# Altium PCB Accumulator Management.PcbDoc (part 1 of 2) (continued)
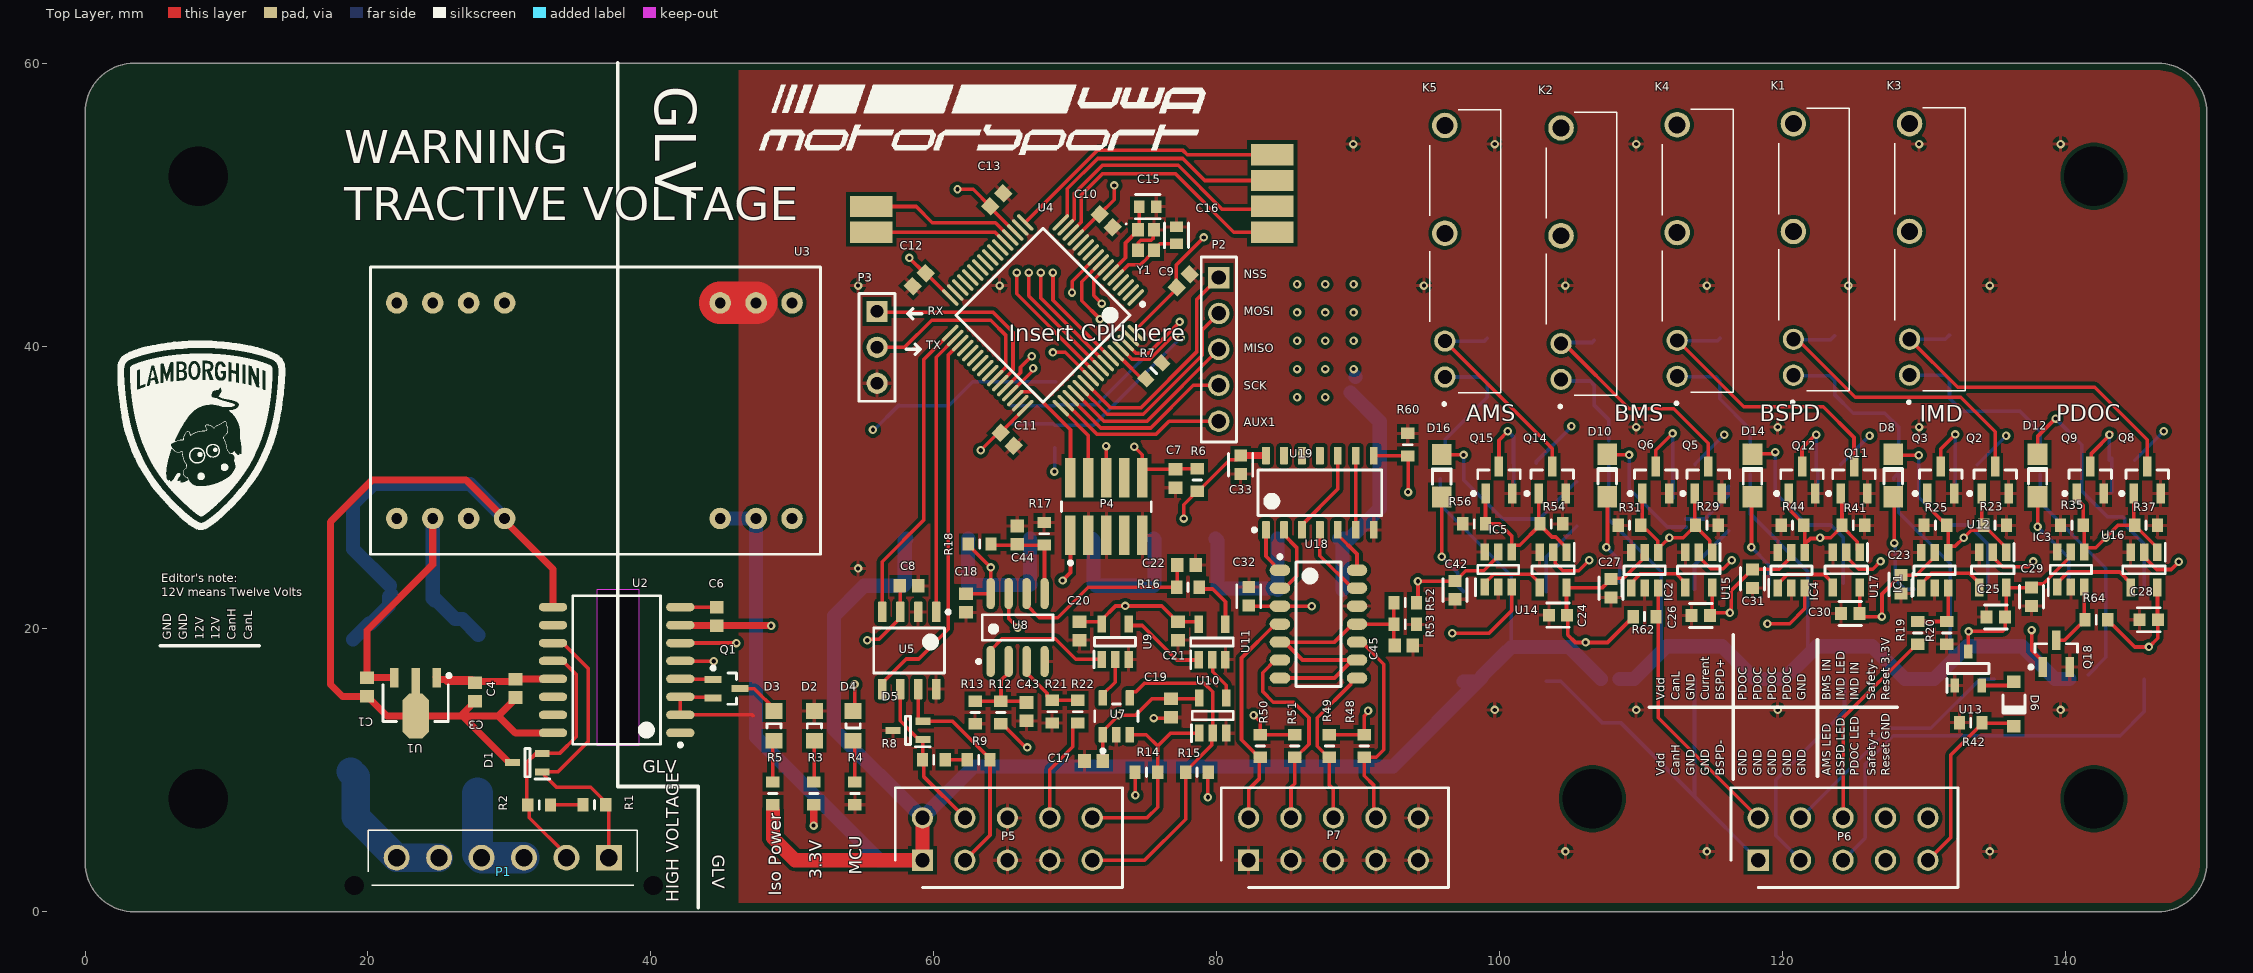
[diagram p0: Top Layer view]
## Part data (continued)
D8 D10 D12 D14 D16: library part 150120SS75000, "WURTH ELEKTRONIK   150120SS75000   LED, 1206, SUP. RED, 60MCD, 630NM", Case Code (Imperial)=1206, Case Code (Metric)=3216, Color=Red, Forward Current=30mA, Forward Voltage=1.9V, Manufacturer 1="Wurth Electronics", Max Operating Temperature=85°C, Min Operating Temperature=-40°C, Package Quantity=3000, Supplier Part Number 1=732-4992-1-ND, Test Current=20mA, Case/Package=1206, ComponentLink1Description=https://datasheet.ciiva.com/29561/150120ss75000-29561862.pdf?src-supplier=Digi-Key, ComponentLink1URL=https://datasheet.ciiva.com/29561/150120ss75000-29561862.pdf?src-supplier=Digi-Key, ComponentLink2Description=https://datasheet.ciiva.com/29279/759443-da-01-en-chipled-1206-w-kl-s-rot-150120ss75000-29279053.pdf?src-supplier=Conrad, ComponentLink2URL=https://datasheet.ciiva.com/29279/759443-da-01-en-chipled-1206-w-kl-s-rot-150120ss75000-29279053.pdf?src-supplier=Conrad, ComponentLink3Description=https://datasheet.ciiva.com/29561/150120ss75000-29561863.pdf?src-supplier=Digi-Key, ComponentLink3URL=https://datasheet.ciiva.com/29561/150120ss75000-29561863.pdf?src-supplier=Digi-Key, ComponentLink4Description=https://datasheet.ciiva.com/48430/150120ss75000-eng-tds-48430055.pdf?src-supplier=Distrelec, ComponentLink4URL=https://datasheet.ciiva.com/48430/150120ss75000-eng-tds-48430055.pdf?src-supplier=Distrelec, ComponentLink5Description=https://datasheet.ciiva.com/29561/150120ss75000-29561864.pdf?src-supplier=Digi-Key, ComponentLink5URL=https://datasheet.ciiva.com/29561/150120ss75000-29561864.pdf?src-supplier=Digi-Key, Dominant Wavelength=630nm, Height=0.68mm, Length=3.2mm, Lens Style=Clear,Rectangular, Luminous Intensity=60mcd, Manufacturer Part Number 1=150120SS75000, Mount="Surface Mount", Packaging="Tape and Reel", Pricing 1="1=0.21000, 50=0.19800, 100=0.17100, 500=0.14800 (USD)", REACH SVHC=Unknown, RoHS=Yes, Stock 1=2344, Supplier 1=Digi-Key, Viewing Angle=140°, Wavelength=630nm, Width=1.6mm
F1 F2: "738-2970 / 0461.500ER"
IC1 IC2 IC3 IC4 IC5: "Integrated Circuit", Manufacturer_Name="Texas Instruments", Datasheet Link=http://www.ti.com/general/docs/suppproductinfo.tsp?distId=10&gotoUrl=http%3A%2F%2Fwww.ti.com%2Flit%2Fgpn%2Fsn74lvc1g373, Height=1.45mm, Manufacturer_Part_Number=74LVC1G373DBVRE4
K1 K2 K3 K4 K5: "Relay"
P1: "Connector", Manufacturer_Name="TE Connectivity", Datasheet Link=https://www.te.com/commerce/DocumentDelivery/DDEController?Action=srchrtrv&DocNm=1445093&DocType=Customer+Drawing&DocLang=English, Height=9.24mm, Manufacturer_Part_Number=2-1445093-6
P2: library part CMP-1024-00077-1, "Low Profile .025\" SQ Post Header, Through-hole, Vertical, -55 to 105 degC, 2.54 mm Pitch, 5-Pin, Male, RoHS", Manufacturer=Samtec, Temperature Range="-55 to 105 degC", ComponentLink1Description="Manufacturer URL", ComponentLink1URL=http://www.samtec.com, ComponentLink2Description=Datasheet, ComponentLink2URL=http://www.samtec.com/documents/webfiles/pdf/MTLW_TH.PDF, ComponentLink3Description="Package Specification", ComponentLink3URL=http://www.samtec.com/documents/webfiles/cpdf/MTLW-1XX-XX-XX-X-XXX-XX-XX-MKT1.pdf, DatasheetVersion=F-214, Mounting Technology=Through-hole, Orientation=Vertical, PackageDescription="Low Profile Terminal Assembly", PackageReference=MTLW-105-05-X-S-190, PackageVersion="T, 6/1991", PartNumber=MTLW-105-05-T-S-190, Pitch="2.54 mm", RoHS=True
P3: library part "Header 3", "Header, 3-Pin", Manufacturer=-, Mfg No.=-, Notes=-, Suppl. Link/No.=-, Supplier=Digikey
P4: library part CMP-2000-05352-1, "Male Header, Pitch 1.27 mm, 2 x 5 Position, Height 6.12 mm, RoHS, Tube", Color=Black, Manufacturer=Samtec, Package Description="Male Header, Pitch 1.27 mm, 2 x 5 Position, Height 5.97 mm, Tail Length 4.32 mm", Package Reference=FTSH-105-01-L-DV-K, Category=Connectors,Interconnects, Connector Type=Header,Shrouded, Contact Finish=Gold, Contact Finish Thickness=3µin(0.08µm), Contact Mating Length="0.120\"(3.05mm)", Contact Type=MalePin, Datasheet URL=http://suddendocs.samtec.com/prints/ftsh-1xx-xx-xxx-dv-xxx-mkt.pdf, Datasheet Version="Rev. ET, 10/1995", Family=RectangularConnectors-Headers,MalePins, Fastening Type=-, Features=-, Manufacturer URL=http://www.samtec.com/, Mounting Type=SurfaceMount, Number of Positions=10, Number of Positions Loaded=All, Number of Rows=2, Package URL=http://suddendocs.samtec.com/prints/ftsh-1xx-xx-xxx-dv-xxx-footprint.pdf, Packaging=Tube, Pitch="0.050\"(1.27mm)", Row Spacing="0.050\"(1.27mm)", Series=FTSH, Termination=Solder
P5 P6 P7: "Connector", Manufacturer_Name="TE Connectivity", Mouser Part Number=571-4-794632-0, Datasheet Link=https://www.mouser.com/ProductDetail/TE-Connectivity-AMP/4-794632-0?qs=Rd%252BN518myCyGOpGRvqIhCg%3D%3D, Height=9.44mm, Manufacturer_Part_Number=4-794632-0, Mouser Price/Stock=https://www.mouser.co.uk/ProductDetail/TE-Connectivity-AMP/4-794632-0?qs=Rd%252BN518myCyGOpGRvqIhCg%3D%3D
Q1: "NPN General-purpose Transistor", ComponentLink1Description="Manufacturer Link", ComponentLink1URL=http://www.semiconductors.philips.com/, ComponentLink2Description=Datasheet, ComponentLink2URL=http://www.semiconductors.philips.com/acrobat/datasheets/BC846W_BC847W_BC848W_4.pdf, DatasheetVersion=4-Feb-2002, LatestRevisionDate=12-Dec-2006, LatestRevisionNote="IPC-7351 Footprint Added.", PackageDescription="3-Pin SOT-323 Package 0.65 mm Pitch, 2.1 mm Lead Span", PackageReference=SOT323, PackageVersion=Apr-1999, Published=17-Sep-2003, Publisher="Altium Limited"
Q2 Q3 Q4 Q5 Q6 Q7 Q8 Q9 Q10 Q11 Q12 Q13 Q14 Q15 Q16 Q18: library part CMP-1259-00087-1, "N-Channel Trench MOSFET, 60 V, 0.36 A, -55 to 150 degC, 3-Pin SOT23, Tape and Reel", Manufacturer="NXP Semiconductors", Automotive Qualified=Y, Channel Type=N, Code_JEDEC=TO-236AB, ComponentLink1Description="Manufacturer URL", ComponentLink1URL=http://www.nxp.com/, ComponentLink2Description=Datasheet, ComponentLink2URL=http://www.nxp.com/documents/data_sheet/BSS138BK.pdf, ComponentLink3Description="Package Specification", ComponentLink3URL=http://www.nxp.com/documents/outline_drawing/sot023_po.pdf, DatasheetVersion="Rev. 1", ID [max] (A)=0.36, IDM [max] (A)=1.2, Mounting Technology="Surface Mount", PackageDescription="3-Pin Small Outline Transistor Package, Body 2.9 x 1.3 mm, Pitch 0.95 mm", PackageReference=SOT23, PackageVersion="06-03-16, 03/2006", Packing="Tape & Reel", PartNumber=BSS138BK,215, VDS [max] (V)=60, VGSth [typ] (V)=1.1
R1 R2 R8 R9: "679-1597", LatestRevisionDate=17-Jul-2002, LatestRevisionNote="Re-released for DXP Platform.", PackageDescription="Axial Device, Thru-Hole; 2 Leads; 0.3 in Pin Spacing", PackageReference=AXIAL-0.3, Published=8-Jun-2000, Publisher="Altium Limited"
R3 R5: "117-880", LatestRevisionDate=29-May-2009, LatestRevisionNote="IPC-7351 Footprint Added.", PackageDescription="Chip Resistor", PackageReference=J1-0603, Published=8-Jun-2000, Publisher="Altium Limited"
R4: library part Res3, "117-880", LatestRevisionDate=29-May-2009, LatestRevisionNote="IPC-7351 Footprint Added.", PackageDescription="Chip Resistor", PackageReference=J1-0603, Published=8-Jun-2000, Publisher="Altium Limited"
R6: library part Res1, LatestRevisionDate=17-Jul-2002, LatestRevisionNote="Re-released for DXP Platform.", PackageDescription="Axial Device, Thru-Hole; 2 Leads; 0.3 in Pin Spacing", PackageReference=AXIAL-0.3, Published=8-Jun-2000, Publisher="Altium Limited"
R7 R10 R11 R13 R14 R15 R17 R21: "169-4216", LatestRevisionDate=17-Jul-2002, LatestRevisionNote="Re-released for DXP Platform.", PackageDescription="Axial Device, Thru-Hole; 2 Leads; 0.3 in Pin Spacing", PackageReference=AXIAL-0.3, Published=8-Jun-2000, Publisher="Altium Limited"
R12 R22: "CRCW06033K24FKEA", LatestRevisionDate=17-Jul-2002, LatestRevisionNote="Re-released for DXP Platform.", PackageDescription="Axial Device, Thru-Hole; 2 Leads; 0.3 in Pin Spacing", PackageReference=AXIAL-0.3, Published=8-Jun-2000, Publisher="Altium Limited"
R16: "120-842", LatestRevisionDate=17-Jul-2002, LatestRevisionNote="Re-released for DXP Platform.", PackageDescription="Axial Device, Thru-Hole; 2 Leads; 0.3 in Pin Spacing", PackageReference=AXIAL-0.3, Published=8-Jun-2000, Publisher="Altium Limited"
R18 R19 R20: "679-0260", LatestRevisionDate=17-Jul-2002, LatestRevisionNote="Re-released for DXP Platform.", PackageDescription="Axial Device, Thru-Hole; 2 Leads; 0.3 in Pin Spacing", PackageReference=AXIAL-0.3, Published=8-Jun-2000, Publisher="Altium Limited"
R23 R24 R25 R26 R29 R30 R31 R32 R35 R36 R37 R38 R41 R42 R43 R44 R45 R52 R53 R54 R55 R56 R57 R60 R62 R64: library part RC0805JR-0710KL, "10k E0805 1% 1/8W", Case Code (Imperial)=0805, Case Code (Metric)=2012, Max Operating Temperature=155°C, Min Operating Temperature=-55°C, Power Rating=125mW, Resistance=10kR, Supplier Part Number 1=311-10KARCT-ND, Temperature Coefficient=100ppm/°C, Tolerance=5%, Voltage Rating=150V, Case/Package=0805, ComponentLink1Description=https://datasheet.ciiva.com/7941/444164-7941870.pdf?src-supplier=Element14, ComponentLink1URL=https://datasheet.ciiva.com/7941/444164-7941870.pdf?src-supplier=Element14, ComponentLink2Description=https://datasheet.ciiva.com/7941/444164-7941871.pdf?src-supplier=Element14, ComponentLink2URL=https://datasheet.ciiva.com/7941/444164-7941871.pdf?src-supplier=Element14, ComponentLink3Description=https://datasheet.ciiva.com/7983/444164-7983765.pdf?src-supplier=Element14, ComponentLink3URL=https://datasheet.ciiva.com/7983/444164-7983765.pdf?src-supplier=Element14, Composition="Thick Film", Contact Plating=Tin, Depth=1.25mm, Height=0.5mm, Lead Free="Lead Free", Length=2mm, Military Standard=Not, Packaging="Tape and Reel", Radiation Hardening=No, REACH SVHC=Unknown, RoHS=Yes, Supplier 1=Digi-Key, Termination=SMD/SMT, Width=1.25mm
R27 R28 R33 R34 R39 R40 R46 R47 R58 R59: "RES SMD 649 OHM 1% 1W 2512", Case Code (Imperial)=2512, Case Code (Metric)=6432, Manufacturer 1="Vishay Dale", Max Operating Temperature=155°C, Max Power Dissipation=1W, Min Operating Temperature=-55°C, Package Quantity=10, Resistance=649R, Supplier Part Number 1=541-649AFCT-ND, Temperature Coefficient=100ppm/°C, Tolerance=1%, Voltage Rating (DC)=500V, Case/Package=2512, ComponentLink1Description=https://datasheet.ciiva.com/2479/dcrcwe3-2479296.pdf?src-supplier=Digi-Key, ComponentLink1URL=https://datasheet.ciiva.com/2479/dcrcwe3-2479296.pdf?src-supplier=Digi-Key, ComponentLink2Description=https://datasheet.ciiva.com/2479/dcrcwe3-2479297.pdf?src-supplier=Digi-Key, ComponentLink2URL=https://datasheet.ciiva.com/2479/dcrcwe3-2479297.pdf?src-supplier=Digi-Key, ComponentLink3Description=https://datasheet.ciiva.com/2479/dcrcwe3-2479298.pdf?src-supplier=Digi-Key, ComponentLink3URL=https://datasheet.ciiva.com/2479/dcrcwe3-2479298.pdf?src-supplier=Digi-Key, Composition="Thick Film", Features="Automotive AEC-Q200", Height=0.028inch, Lead Free="Lead Free", Length=0.248inch, Manufacturer Part Number 1=CRCW2512649RFKEG, Number of Terminations=2, Packaging="Tape and Reel", Pricing 1="1=0.38000, 10=0.31800, 100=0.12420, 1000=0.05198 (USD)", RoHS=Yes, Stock 1=2166, Supplier 1=Digi-Key, Width=0.124inch
R48 R49 R50 R51: library part RC0805FR-071K58L, "1.58k 0805 1% 1/8W", Case Code (Imperial)=0805, Case Code (Metric)=2012, Max Operating Temperature=155°C, Max Power Dissipation=125mW, Min Operating Temperature=-55°C, Package Quantity=1, Resistance=1.58kR, Supplier Part Number 1=311-1.58KCRCT-ND, Temperature Coefficient=100ppm/°C, Tolerance=1%, Voltage Rating=150V, Case/Package=0805, ComponentLink1Description=https://datasheet.ciiva.com/2457/pyu-r-int-thick-7-2457440.pdf?src-supplier=Digi-Key, ComponentLink1URL=https://datasheet.ciiva.com/2457/pyu-r-int-thick-7-2457440.pdf?src-supplier=Digi-Key, ComponentLink2Description=https://datasheet.ciiva.com/2457/pyu-r-int-thick-7-2457441.pdf?src-supplier=Digi-Key, ComponentLink2URL=https://datasheet.ciiva.com/2457/pyu-r-int-thick-7-2457441.pdf?src-supplier=Digi-Key, ComponentLink3Description=https://datasheet.ciiva.com/2457/pyu-r-int-thick-7-2457442.pdf?src-supplier=Digi-Key, ComponentLink3URL=https://datasheet.ciiva.com/2457/pyu-r-int-thick-7-2457442.pdf?src-supplier=Digi-Key, ComponentLink4Description=https://datasheet.ciiva.com/17082/rc0805-17082718.pdf?src-supplier=Future+Electronics, ComponentLink4URL=https://datasheet.ciiva.com/17082/rc0805-17082718.pdf?src-supplier=Future+Electronics, Composition="Thick Film", Contact Plating=Tin, Depth=1.25mm, Features="Moisture Resistant", Height=0.024inch, Lead Free="Lead Free", Length=0.079inch, Military Standard=Not, Number of Terminations=2, Packaging="Tape and Reel", Power Rating=125mW, Radiation Hardening=No, RoHS=Yes, Supplier 1=Digi-Key, Termination=SMD/SMT, Voltage Rating (DC)=150V, Width=0.049inch
U1: library part LDK220U33R, "5V LDO 100mA / LD2981CU50TR", Manufacturer="ST Microelectrics", Mfg No.=LDK220U33R, Notes=-, Suppl. Link/No.=511-LDK220U33R, Supplier=Mouser
U4: library part CMP-0237-00225-3, "ARM Cortex-M3 32-bit MCU, 64 KB Flash, 64 KB Internal RAM, 51 I/Os, 64-pin LQFP, -40 to 85 degC, Tray", I/Os (High Current)=51, Operating Frequency(F) (Processor speed) (MHz)=72, Supply Voltage(Vcc) min (V)=2, A/D Converter="2x12-bit (16 Channel)", ComponentLink1Description="Manufacturer URL", ComponentLink1URL=http://www.st.com/web/en/home.html, ComponentLink2Description=Datasheet, ComponentLink2URL=http://www.st.com/st-web-ui/static/active/en/resource/technical/document/datasheet/CD00220364.pdf, ComponentLink3Description="Package Specification", ComponentLink3URL=http://www.st.com/st-web-ui/static/active/en/resource/technical/document/datasheet/DM00037051.pdf, Core="ARM Cortex-M3", D/A Converter="2x12-bit (2 Channel)", DatasheetVersion="Rev. 6", FLASH Size (Prog) (kB)=64, Internal RAM Size (kB)=64, Mounting Technology="Surface Mount", PackageDescription="64-Pin Low Profile Quad Flat Package, 10 x 10 mm Body, 0.5 mm Pitch", PackageReference=LQFP64, PackageVersion="Rev. 4, 06/2013", Packing=Tray, PartNumber=STM32F105R8T6
U5: library part CMP-0315-00036-2, "3.3V CAN Transceiver with Standby Mode, Loop-back, 6 mA, -40 to 125 degC, 8-pin SOIC (D), Green (RoHS & no Sb/Br)", Bus Fault Voltage(V)=+/-30, Drivers Per Package=1, Low Power Mode=Standby, Manufacturer="Texas Instruments", Rating=Catalog, Supply Voltage(s)(V)=3.3, Code_JEDEC=MS-012AA, ComponentLink1Description=Datasheet, ComponentLink1URL=http://www.ti.com/general/docs/lit/getliterature.tsp?genericPartNumber=SN65HVD233&fileType=pdf, DatasheetVersion=SLLS557F, Eco-Plan="Green (RoHS & no Sb/Br)", Features="Loop Back", ICC(Max)(mA)=6, Isolated=No, Mounting Technology="Surface Mount", PackageDescription="8-Pin Plastic Small Outline Integrated Circuit, 4.9 x 3.9 mm, Pitch 1.27 mm Pitch", PackageReference=D0008A, PackageVersion="revM, Jun-2011", PartNumber=SN65HVD233D, Receivers Per Package=1, SubFamily=CAN, Transient Pulse Protection(V)="-100 to 100"
U6: library part CMP-1248-00027-1, "I2C-Bus Fm+, 1 Degree C Accuracy, Digital Temperature Sensor and Thermal Watchdog, 2.7 to 5.5 V Supply, -55 to 125 degC, 8-Pin SOT96-1, RoHS, Reel", Manufacturer="NXP Semiconductors", Operating Voltage (VDC)="2.7 to 5.5", Accuracy on-chip (degC)="1@-25 to 100 / 2@-55 to 125", Assignable addresses=27, Code_IEC=76000, Code_JEDEC=MS-012, ComponentLink1Description="Manufacturer URL", ComponentLink1URL=http://www.nxp.com/, ComponentLink2Description=Datasheet, ComponentLink2URL=http://www.nxp.com/documents/data_sheet/PCT2075.pdf, ComponentLink3Description="Package Specification", ComponentLink3URL=http://www.nxp.com/documents/outline_drawing/sot096-1_po.pdf, DatasheetVersion="Rev. 7", Mounting Technology="Surface Mount", PackageDescription="8-Pin Plastic Small Outline Package, Body 4.9 x 3.9 mm, Pitch 1.27 mm", PackageReference=SOT96-1, PackageVersion="03-02-18, 02/2003", Packing=Reel, PartNumber=PCT2075D,118, SMBus clock (kHz)=1000
U7: library part CMP-04872-000003-1, "IC RECEIVER 0/1 SOT23-5", Ambient Temperature Range High=+85°C, Ambient Temperature Range Low=-40°C, Manufacturer="Texas Instruments", Max Supply Voltage=3.6V, Min Supply Voltage=2.4V, Nominal Supply Current=2-5.5mA, Package=DBV0005A, Temperature="-40°C to +85°C", Automotive=No, Category=IC, ComponentLink2Description=Datasheet, ComponentLink2URL=http://www.ti.com/lit/ds/symlink/sn65lvdt2.pdf, Device Class L1="Integrated Circuits (ICs)", Device Class L2="Interface ICs", Device Class L3=unset, Digikey Description="IC RECEIVER 0/1 SOT23-5", Height=1.45mm, Interface=LVDS,LVTTL, Lead Free=Yes, Manufacturer Part Number=SN65LVDT2DBVT, Mouser Description="LVDS Interface IC Dual LVDS", Octopart=https://octopart.com/sn65lvdt2dbvt-texas+instruments-712102, RoHS=TRUE, Standoff Height=0mm, Temperature Range High=+85°C, Temperature Range Low=-40°C
U8: library part CMP-0187-00180-2, "Push-Pull Output Sub-Microamp Comparator, 8-Pin SOIC, Industrial Temperature", Code_IPC=SOIC127P600-8, Code_JEDEC=MS-012, ComponentLink1Description="Manufacturer URL", ComponentLink1URL=http://www.microchip.com/, ComponentLink2Description=Datasheet, ComponentLink2URL=http://ww1.microchip.com/downloads/en/DeviceDoc/21696H.pdf, ComponentLink3Description="Package Specification", ComponentLink3URL=http://www.microchip.com/stellent/groups/techpub_sg/documents/packagingspec/en012702.pdf, DatasheetVersion="revH, Dec-2011", PackageDescription="8-Lead Plastic Small Outline (SN) - Narrow, 3.90mm Body [SOIC]", PackageReference=SOIC-SN8, PackageVersion="revBB, Aug-2009", RevisionNote="URLs added. DatasheetVersion updated."
U9: "Integrated Circuit", Manufacturer_Name="Texas Instruments", Mouser2 Part Number=595-SN74LVC08MDBVREP, Datasheet Link=http://www.ti.com/lit/gpn/sn74lvc1g08-ep, Height=1.45mm, Manufacturer_Part_Number=SN74LVC1G08MDBVREP, Mouser2 Price/Stock=https://www.mouser.com/Search/Refine.aspx?Keyword=595-SN74LVC08MDBVREP
U10: library part NC7S02M5X, "NAND GATEEE", Manufacturer_Name="ON Semiconductor", Height=1.25mm, Manufacturer_Part_Number=NC7S02M5X
U11 U12 U14 U15 U16 U17: "OR GATEEEE", Manufacturer_Name="ON Semiconductor", Datasheet Link=https://componentsearchengine.com/Datasheets/2/NC7S32M5X.pdf, Height=1.1mm, Manufacturer_Part_Number=NC7S32M5X
U13: library part MAX810TTRG, "Integrated Circuit", Manufacturer_Name="ON Semiconductor", Datasheet Link=http://www.onsemi.com/pub/Collateral/MAX809S-D.PDF, Height=1.11mm, Manufacturer_Part_Number=MAX810TTRG
U18: "IC VOLT COMPARATOR QUAD 14-SOIC", Case/Package=SOIC, Input Bias Current=5pA, Input Offset Voltage (Vos)=5mV, Manufacturer 1="Texas Instruments", Max Operating Temperature=125°C, Max Power Dissipation=950mW, Max Supply Current=80uA, Max Supply Voltage=16V, Min Operating Temperature=-40°C, Min Supply Voltage=3V, Operating Supply Voltage=5V, Output Current=20mA, Package Quantity=2500, Power Supply Rejection Ratio (PSRR)=85dB, Quiescent Current=175uA, Supplier Part Number 1=296-23711-1-ND, Common Mode Rejection Ratio=84dB, ComponentLink1Description=https://datasheet.ciiva.com/1828/tlc3704-q1-1828544.pdf?src-supplier=Digi-Key, ComponentLink1URL=https://datasheet.ciiva.com/1828/tlc3704-q1-1828544.pdf?src-supplier=Digi-Key, ComponentLink2Description=https://datasheet.ciiva.com/4464/sgls191a-104586-4464808.pdf?src-supplier=Mouser, ComponentLink2URL=https://datasheet.ciiva.com/4464/sgls191a-104586-4464808.pdf?src-supplier=Mouser, ComponentLink3Description=https://datasheet.ciiva.com/15131/getdatasheetpartid-331461-15131244.pdf?src-supplier=Verical, ComponentLink3URL=https://datasheet.ciiva.com/15131/getdatasheetpartid-331461-15131244.pdf?src-supplier=Verical, ComponentLink4Description=https://datasheet.ciiva.com/14391/tlc3704-q1-14391948.pdf?src-supplier=Avnet, ComponentLink4URL=https://datasheet.ciiva.com/14391/tlc3704-q1-14391948.pdf?src-supplier=Avnet, ComponentLink5Description=https://datasheet.ciiva.com/1828/tlc3704-q1-1828542.pdf?src-supplier=Digi-Key, ComponentLink5URL=https://datasheet.ciiva.com/1828/tlc3704-q1-1828542.pdf?src-supplier=Digi-Key, ComponentLink6Description=https://datasheet.ciiva.com/1828/tlc3704-q1-1828543.pdf?src-supplier=Digi-Key, ComponentLink6URL=https://datasheet.ciiva.com/1828/tlc3704-q1-1828543.pdf?src-supplier=Digi-Key, Contact Plating=Gold, Lead Free="Lead Free", Manufacturer Part Number 1=TLC3704QDRG4Q1, Max Input Current=5pA, Mount="Surface Mount", Nominal Supply Current=80uA, Number of Bits=4, Number of Channels=4, Number of Elements=4, Number of Pins=14, Output Type=TTL, Packaging="Tape and Reel", Power Dissipation=950mW, Pricing 1="1=1.68000, 10=1.50700, 100=1.21100, 500=0.99498, 1000=0.82441 (USD)", Propagation Delay=4.5us, Radiation Hardening=No, Response Time=0.3us, RoHS=Yes, Stock 1=3794, Supplier 1=Digi-Key, Type="General Purpose", Weight=0.004318oz
U19: library part CMP-0781-00002-4, "Quadruple Positive-OR Gates With Schmitt-Trigger Inputs, D0014A, TUBE", F @ Nom Voltage(Max)(Mhz)=70, Generic Part Number=SN74HC7032, ICC @ Nom Voltage(Max)(mA)=0.02, Manufacturer="Texas Instruments", Operating Temperature Range(C)="-40 to 85", Rating=Catalog, tpd @ Nom Voltage(Max)(ns)=33, Voltage(Nom)(V)=5, Bits(#)=4, Code_JEDEC=MS-012, DatasheetVersion=SCLS036E, Input Type=CMOS, Output Drive (IOL/IOH)(Max)(mA)=5.2/-5.2, Output Type=CMOS, PackageReference=D0014A, PackageVersion=http://www.ti.com/lit/ml/mpds177g/mpds177g.pdf, VCC(Max)(V)=6, VCC(Min)(V)=2
U20 U21 U22 U23: library part CMP-07128-000005-1, "IC REG LINEAR 5V 1A DPAK", Dropout Voltage=2V, Manufacturer="ON Semiconductor", Manufacturer Part Number=MC7805CDTG, Max Junction Temp=+125°C, Max Supply Voltage=35V, Min Supply Voltage=7V, Nominal Supply Current=3.2mA, Output Current=1A, Output Voltage=5V, Package=369C, Temperature="0°C to +125°C", Temperature Range Low=0°C, Automotive=No, Category=IC, ComponentLink2Description=Datasheet, ComponentLink2URL=https://www.onsemi.cn/PowerSolutions/document/MC7800-D.PDF, Device Class L1="Integrated Circuits (ICs)", Device Class L2="Power Management ICs", Device Class L3="Voltage Regulators - Linear", Digikey Description="IC REG LINEAR 5V 1A DPAK", Footprint Url=https://www.onsemi.com/pub/Collateral/369C.PDF, Height=2.51mm, Lead Free=Yes, Mouser Description="Linear Voltage Regulator, Positive, 5.0 V, 1.0 A, V out : 5.0 V; T J = 0Â°C to +125Â°C", Number of Outputs=1, Octopart=https://octopart.com/mc7805cdtg-on+semiconductor-1266408, Output Type=Fixed, RoHS=TRUE, Standoff Height=0mm, Temperature Range High=+125°C
Y1: "https://au.mouser.com/ProductDetail/Epson-Timing/FA-128-160000MF10Z-W?qs=f9yNj16SXrLg1f6cZ0OOTg%3D%3D", PackageDocument=9-Sep-1999, ComponentLink1Description="Manufacturer Link", ComponentLink1URL=http://www.cmac.com/mt/, DatasheetDocument=9-Sep-1999, Note="PCB layout complies with manufacturer's recommendation.", PackageReference=2SMX, Published=17-Jul-2002, Publisher="Altium Limited"

## Free pads (board coordinates)
  round 1.524 hole 4.2 unplated: 2(8,8) 2(8,52) 2(106.559,8) 2(142,8) 2(142,52)
  rect 3x1.5 smd: 3(55.575,48.05) 3(55.575,49.862) 3(83.925,48.05) 3(83.925,49.875) 3(83.925,51.7) 3(83.925,53.525)

## Via types
v1: diameter 0.6, hole 0.3, Top Layer to Bottom Layer 1, 116 vias

## Nets (pads, with @x,y where several pads share a name; then routed paths per layer and width w, separated by ;. In a path a pad name is that pad's centre, name@x,y a point inside that pad or via, vN(x,y) a via of type N, cw(c..) or ccw(c..) an arc to the next point about the centre after c; other vN are vias at no path point)
+3.3V: C6.1 C8.2 C9.2 C10.2 C11.2 C12.2 C13.2 C14.2 C17.2 C18.2 C19.2 C20.2 C21.2 C23.2 C24.2 C25.2 C26.2 C27.2 C28.2 C29.2 C30.2 C31.2 C32.1 C33.2 C41.2 C42.2 IC1.5 IC2.5 IC3.5 IC4.5 IC5.5 P4.1 P6.10 R3.1 R6.1 R10.2 R11.2 R12.2 R14.2 R15.2 R18.2 R26.2 R32.2 R38.2 R45.2 R48.2 R49.2 R50.2 R51.2 R52.2 R57.2 R62.2 R64.2 U2.7 U4.13 U4.19 U4.32 U4.48 U4.64 U5.3 U6.8 U7.1 U8.8 U9.5 U10.5 U11.5 U12.5 U13.3 U14.5 U15.5 U16.5 U17.5 U18.3 U19.14 U23.3 | length 210.8
  Top Layer w0.254: v1(55.3,19.2) 55.358,19.258 56.108,19.258 57.625,20.775 U5.3@57.625,21.2 57.625,22.95 57.525,23.05 C8.2@57.6,23.05 ; v1(58.275,46.225) 59.34,45.16 C12.2@59.435,45.16 ; C12.2@59.436,45.161 59.914,44.683 U4.32@61.167,43.43 ; v1(61.675,51.075) 62.781,51.075 C13.2@63.99,49.865 ; C18.2@62.267,22.477 62.292,22.502 U8.8@64.017,22.502 64.021,22.506 64.021,24.346 v1(64.025,24.35) 62.445,25.93 R18.2@62.445,26.005 ; v1(63.325,32.625) 64.56,33.86 C11.2@64.715,33.86 C11.2@64.715,33.86 U4.48@66.47,35.617 ; C13.2@63.749,50.04 U4.19@65.763,48.026 ; R12.2@64.75,13.3 64.825,13.3 66.434,11.691 66.534,11.691 v1(66.6,11.625) ; v1(69.1,23.425) 69.66,23.985 P4.1@69.66,26.615 ; U4.13@70.041,47.673 C10.2@71.678,49.31 ; C20.2@70.292,20.507 71.712,20.507 U9.5@71.867,20.352 71.867,20.652 72.84,21.625 v1(73.525,21.625) 76.104,21.625 77.222,20.507 C21.2@77.267,20.507 78.544,20.507 78.717,20.334 U11.5@78.717,20.327 ; C10.2@71.715,49.31 72.75,50.344 v1(72.75,51.35) ; C17.2@71.95,10.675 U7.1@71.95,12.525 71.95,12.775 v1(73.075,13.9) 74.264,13.9 75.416,15.052 C19.2@76.767,15.052 78.691,15.052 U10.5@78.767,15.129 ; R14.2@74.225,9.875 74.25,9.85 v1(74.25,8.25) ; U4.64@74.283,40.92 74.166,41.038 74.166,41.041 C9.2@77.165,44.04 ; C9.2@77.165,44.14 77.134,44.172 77.134,45.734 v1(79.075,47.675) ; v1(77.675,27.8) 77.675,28.775 78.277,29.377 78.277,29.452 78.55,29.725 R6.1@78.625,29.725 78.7,29.725 80.929,31.954 81.394,31.954 C33.2@81.692,32.252 ; v1(79.375,8.1) 79.375,9.85 R15.2@79.4,9.875 ; C32.1@82.267,21.652 82.307,21.612 U18.3@84.467,21.612 84.473,21.606 86.719,21.606 v1(86.725,21.6) ; v1(82.6,13.9) 83.067,13.433 R50.2@83.067,12.527 R51.2@85.517,12.527 ; R49.2@87.967,12.527 R48.2@90.417,12.527 90.417,13.849 90.7,14.131 v1(90.7,14.225) ; R52.2@94.125,21.867 94.225,21.967 v1(94.225,23.375) 96.85,23.375 97.594,24.119 98.869,24.119 99.727,24.977 99.9,25.15 IC5.5@99.9,25.45 ; C27.2@107.875,23.525 107.85,23.525 107.552,23.227 107.552,23.202 107.275,22.925 U14.5@104.725,22.925 104.725,21.025 104.823,20.927 104.823,19.577 105.355,19.045 107.62,19.045 109.102,20.527 109.177,20.527 109.45,20.8 R62.2@109.45,20.875 ; C27.2@107.875,23.55 107.875,23.575 108.75,23.575 110.077,24.902 110.077,25.277 IC2.5@110.25,25.45 ; U15.5@115.025,22.925 115.025,21.125 114.875,20.975 C26.2@114.875,20.95 115.075,21.15 116.369,21.15 116.341,21.177 116.341,21.444 116.369,21.472 116.369,22.719 117.875,24.225 119.75,24.225 120.625,25.1 IC4.5@120.625,25.4 ; C30.2@125.427,21.1 125.427,21.125 C30.2@125.45,21.148 ; U17.5@125.45,22.925 C30.2@125.45,21.148 ; IC1.5@130.75,25.4 130.75,25.1 129.45,23.8 128.35,23.8 127.025,22.475 v1(127.025,20.875) 125.723,20.875 C30.2@125.45,21.148 ; U13.3@133.125,18.4 133.137,18.413 133.137,19.817 v1(133.15,19.829) 135.56,19.829 135.75,20.019 135.75,20.825 C25.2@135.725,20.85 135.8,20.925 U12.5@135.8,22.925 C29.2@137.6,22.925 ; C29.2@137.725,22.9 138.023,23.198 138.423,23.198 140.375,25.15 IC3.5@140.375,25.45 ; R64.2@142.975,20.65 142.975,20.575 143.248,20.302 143.323,20.302 144.9,18.725 v1(145.9,18.725) 146.525,19.35 C28.2@146.525,20.65 146.5,20.675 U16.5@146.5,22.925
  Top Layer w0.5: U2.7@42.08,20.276 42.099,20.256 44.604,20.256 C6.1@44.655,20.206 ; C6.1@44.655,20.231 44.674,20.25 48.478,20.25 v1(48.494,20.234) ; v1(51.5,6.1) 51.513,6.112 51.513,7.562 R3.1@51.525,7.575 ; C33.2@81.692,32.252 U19.14@83.482,32.252
  Bottom Layer 1 w0.254: v1(55.7,34.075) 55.78,34.075 57.505,35.8 C14.2@57.55,35.8 57.57,35.78 U6.8@60.375,35.78 61.05,35.78 62.75,37.48 R10.2@68.6,37.48 ; v1(68.525,31.125) 68.55,31.15 R11.2@68.55,32.81 ; R57.2@102.575,31.725 102.575,31.8 105.075,34.3 v1(105.075,34.325) ; R32.2@113.825,31.6 113.825,31.675 v1(115.875,33.725) ; R45.2@124.1,31.6 v1(126.15,33.65) ; R26.2@133.75,31.6 v1(135.8,33.65) ; R38.2@144.9,31.925 v1(146.95,33.975)
  Bottom Layer 1 w1: C41.2@88.663,26.375 C41.2@88.71,26.375 ; U23.3@88.885,22.775 88.885,26.2 C41.2@88.71,26.375 ; 89.45,36.725 91.525,34.65 91.525,28.512 89.388,26.375 C41.2@88.71,26.375 ; 89.802,37.828 89.818,37.812
  other v1: 106.07,19.045 116.275,21.15 85.675,36.375 87.675,36.375 85.675,38.375 87.675,38.375 89.675,38.375 85.675,40.375 87.675,40.375 89.675,40.375 85.675,42.375 87.675,42.375 89.675,42.375 85.675,44.375 87.675,44.375 89.675,44.375